# KiCad board plinkyblack_hwmidi_jacks.kicad_pcb
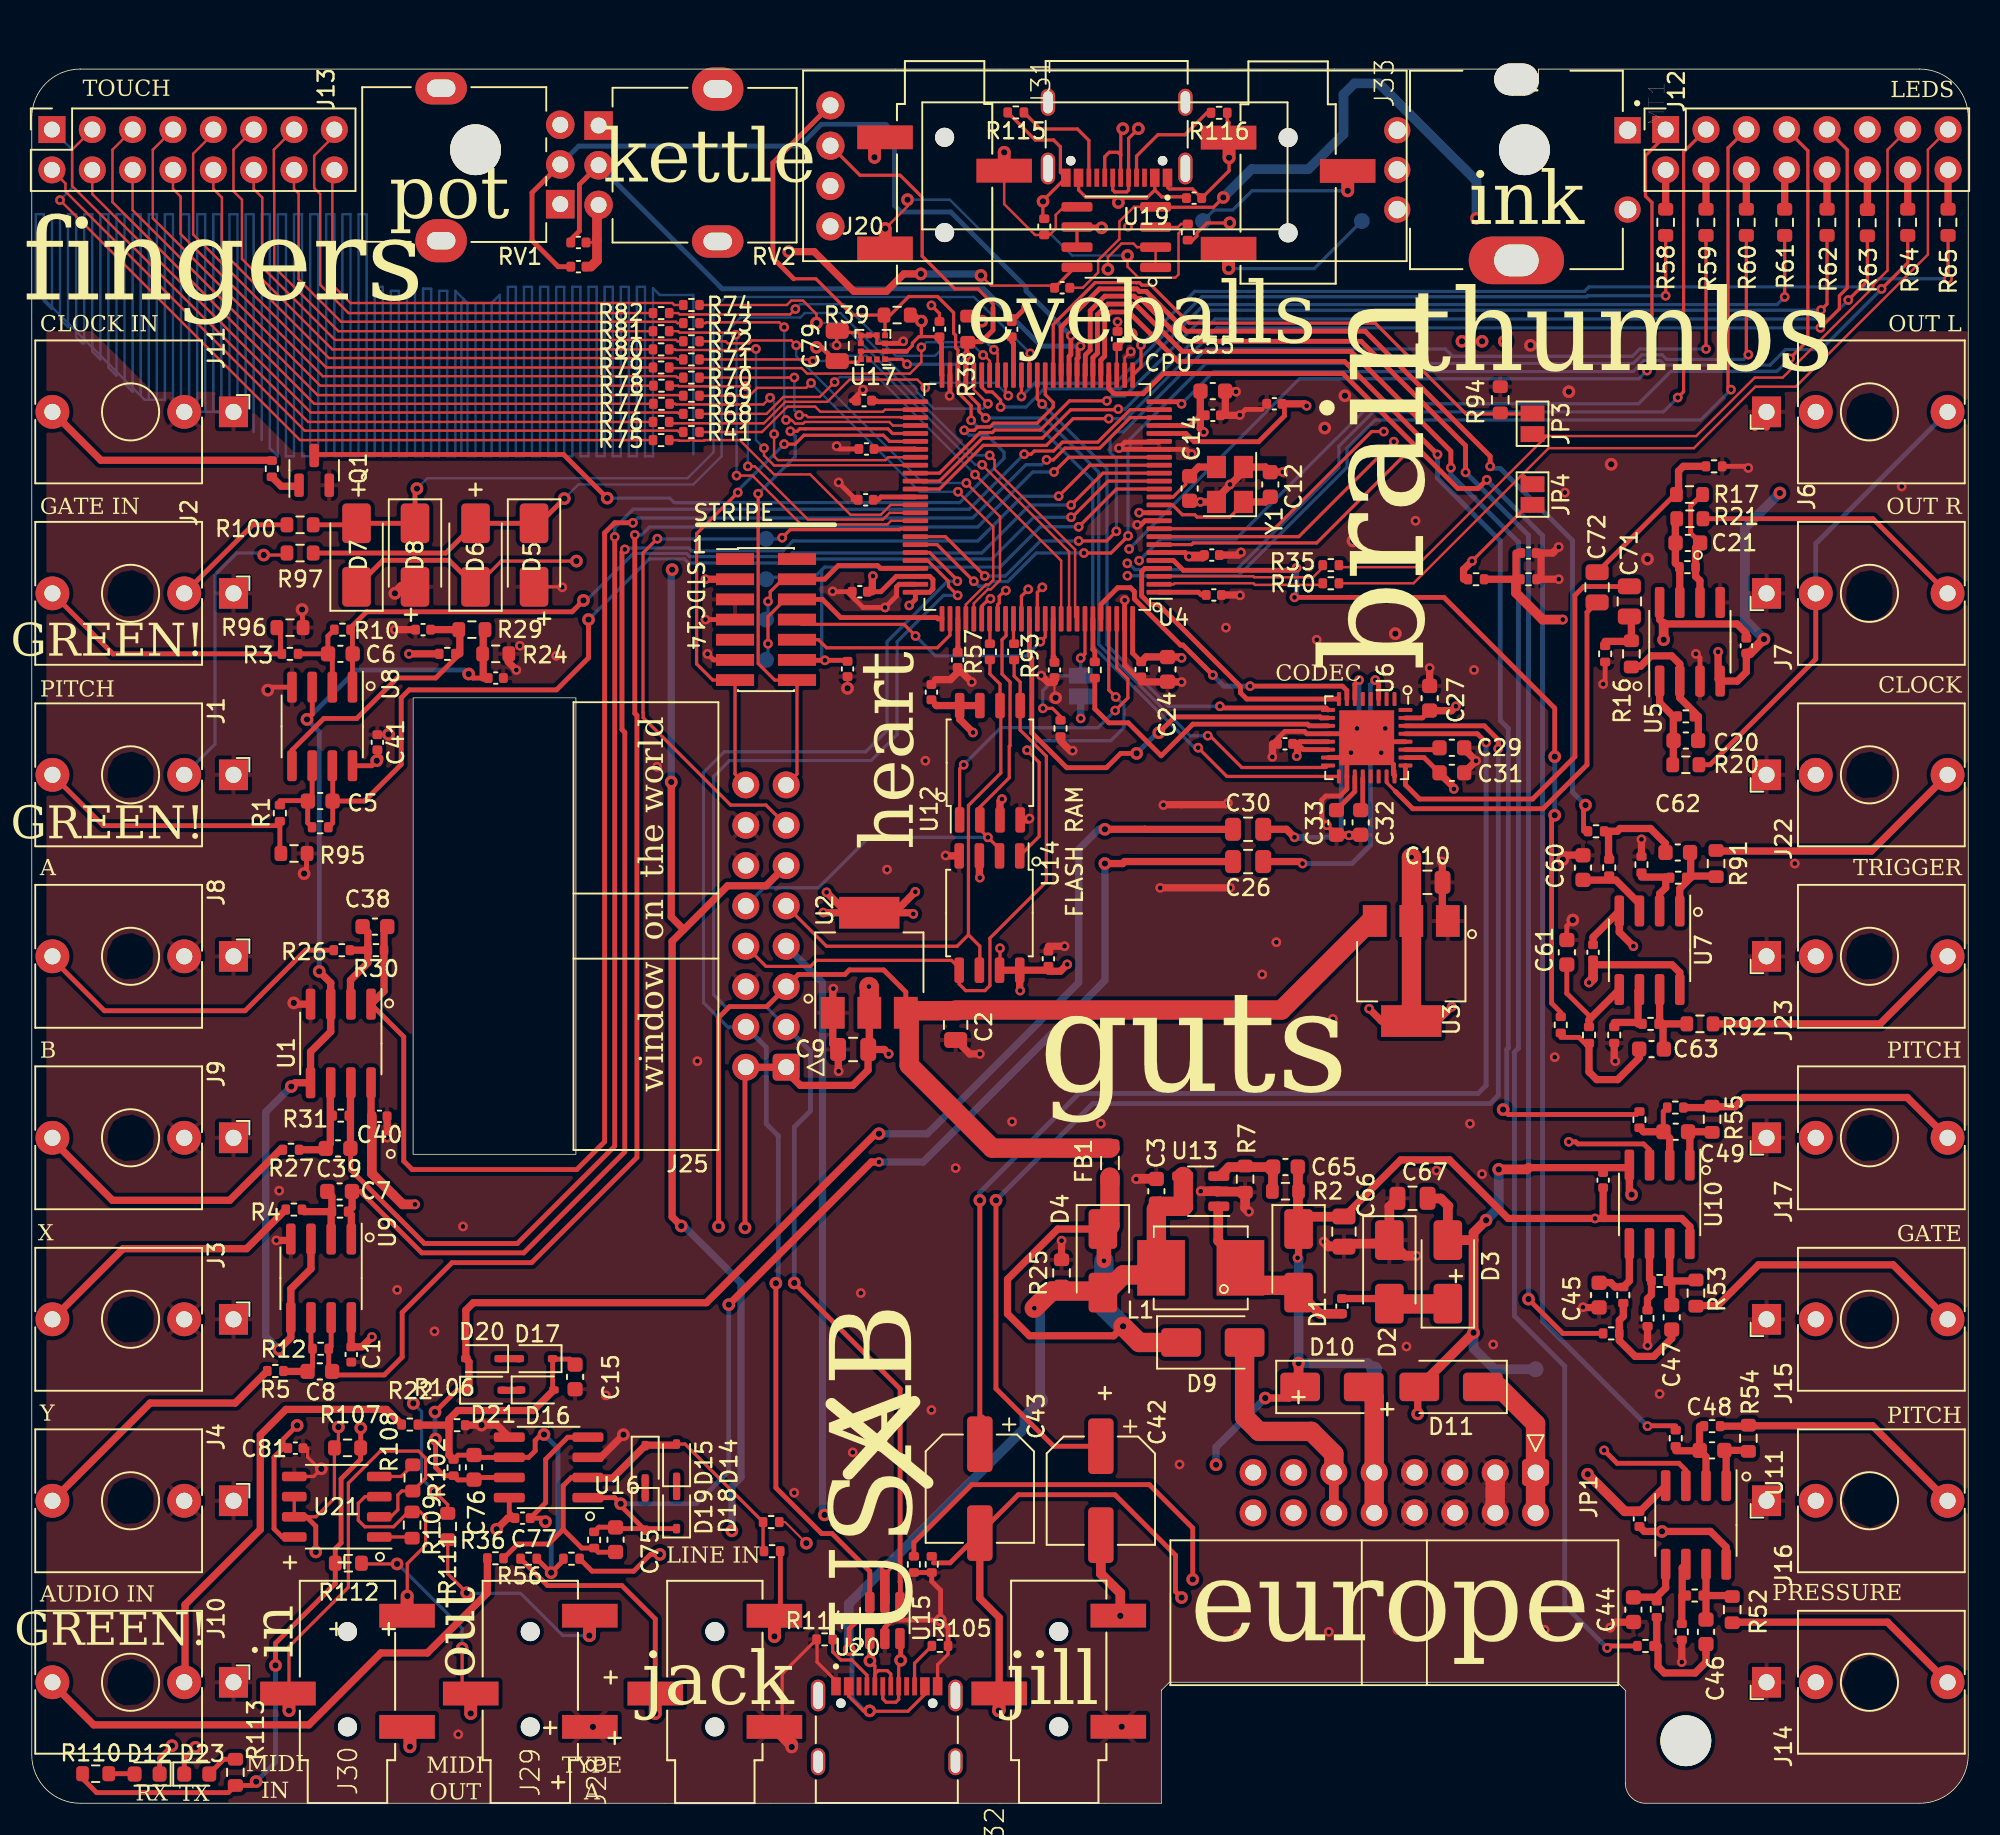
[diagram p0: board, top side]
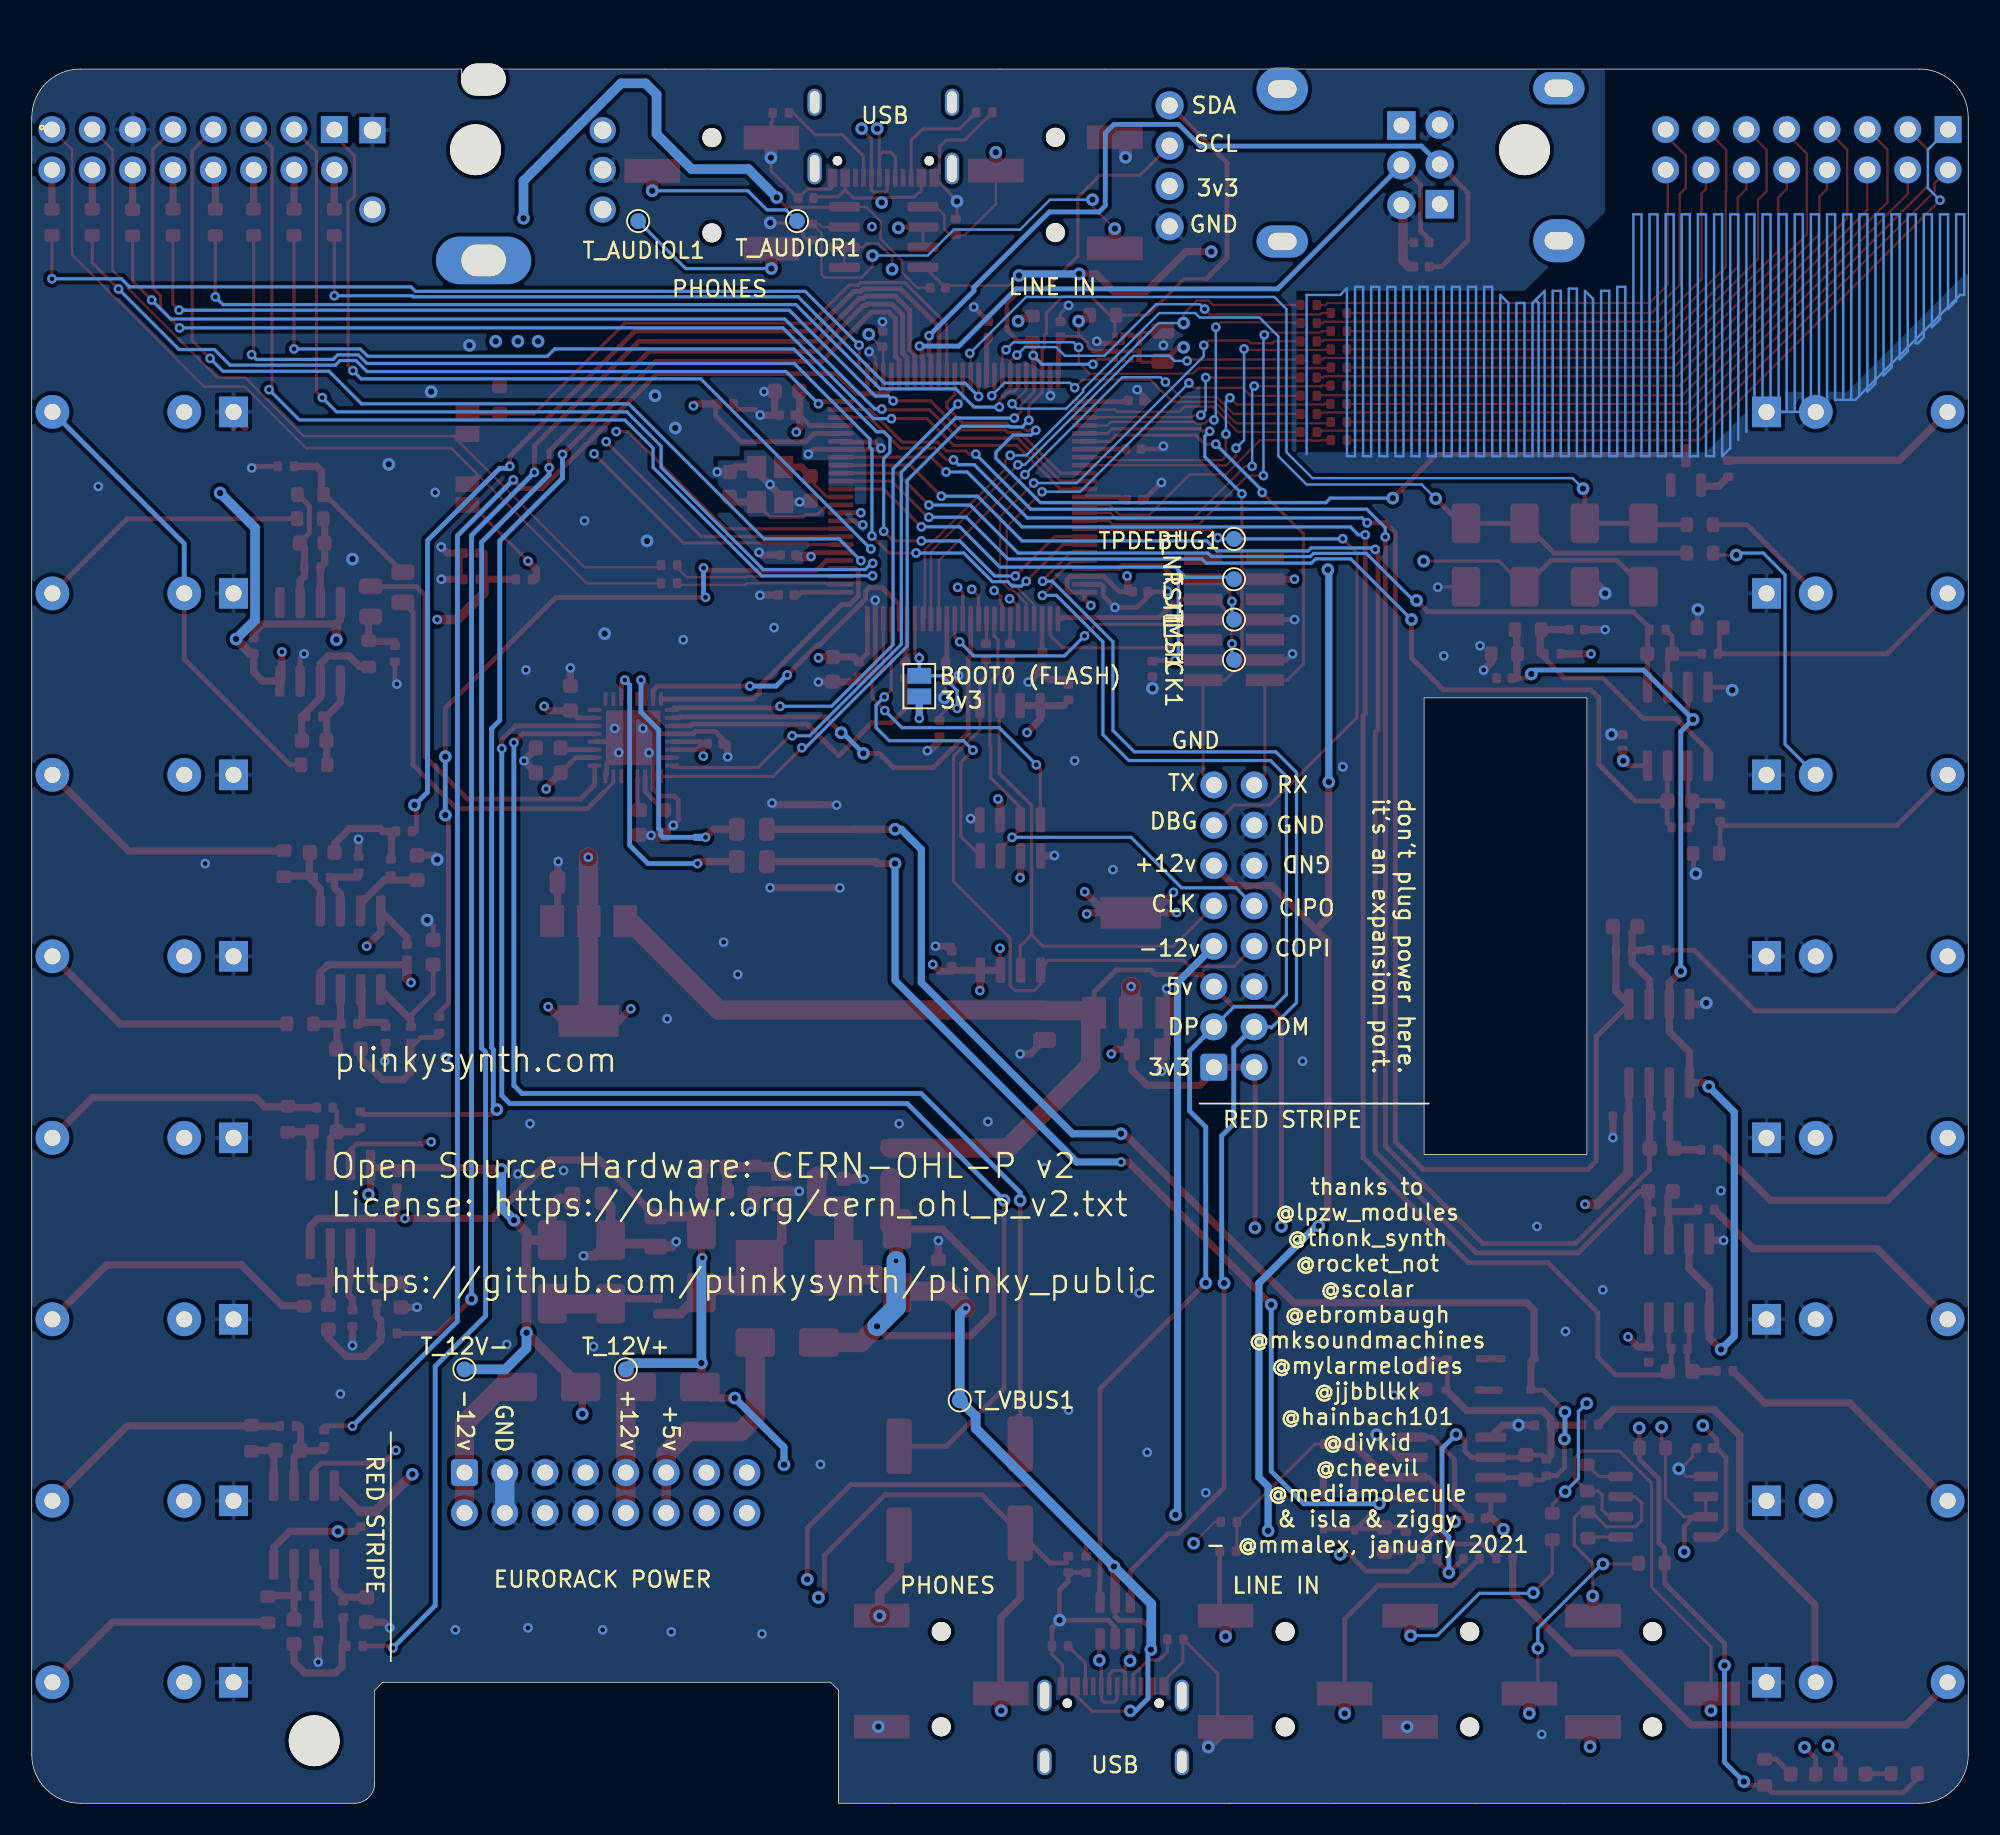
[diagram p1: board, bottom side, seen from below]

Outline 121.92 x 109.22 mm; copper layers: Top, In1.Cu, In2.Cu, Bottom. Coordinates in mm from the lower left corner of the outline.
Outline path: rectangle 24.01,69.62 34.26,40.87 ; 75.44,109.22 3.05,109.22 arc(0.89,108.33) 0,106.17 0,3.05 arc(0.89,0.89) 3.05,0 71.12,0 71.12,7.11 71.63,7.62 99.82,7.62 100.33,7.11 100.33,1.27 arc(100.7,0.37) 101.6,0 118.87,0 arc(121.03,0.89) 121.92,3.05 121.92,106.17 arc(121.03,108.33) 118.87,109.22 94.87,109.22 94.87,108.46 arc(94.61,107.83) 93.98,107.57 93.22,107.57 arc(92.59,107.83) 92.33,108.46 92.33,109.22 82.04,109.22 75.44,109.22
Stack: Top 0.035mm / dielectric 0.48mm FR4 er 4.5 / In1.Cu 0.035mm / dielectric 0.48mm FR4 er 4.5 / In2.Cu 0.035mm / dielectric 0.48mm FR4 er 4.5 / Bottom 0.035mm

## Placement (name value [footprint] x y rotation side)
C1  100n  [C_0402_1005Metric]  20.12 28.26 90 top
C2  10u  [C_0805_2012Metric]  58.17 49.02 270 top
C3  4.7u  [C_0603_1608Metric]  70.8 38.55 90 top
C4  1u  [C_0402_1005Metric]  82.49 31.31 270 top
C5  4.7n  [C_0603_1608Metric]  18.16 63.12 180 top
C6  4.7n  [C_0603_1608Metric]  19.43 72.39 180 top
C7  4.7n  [C_0603_1608Metric]  19.38 38.53 180 top
C8  4.7n  [C_0603_1608Metric]  18.14 27.2 180 top
C9  10u  [C_0805_2012Metric]  51.71 47.47 180 top
C10  10u  [C_0805_2012Metric]  87.87 58 0 top
C11  100n  [C_0402_1005Metric]  51.36 71.44 270 top
C12  18p  [C_0603_1608Metric]  77.98 83.06 90 top
C14  18p  [C_0603_1608Metric]  72.9 82.8 270 top
C15  18p  [C_0603_1608Metric]  34.21 26.85 90 top
C16  100n  [C_0402_1005Metric]  56.64 69.98 90 top
C17  100n  [C_0402_1005Metric]  29.21 70.87 180 top
C18  100n  [C_0402_1005Metric]  74.3 78.61 0 top
C19  100n  [C_0402_1005Metric]  68.36 92.22 90 top
C20  220p  [C_0603_1608Metric]  104.14 66.93 0 top
C21  220p  [C_0603_1608Metric]  104.27 79.38 0 top
C22  100n  [C_0402_1005Metric]  57.15 92.84 90 top
C23  100n  [C_0402_1005Metric]  52.13 76.3 180 top
C24  4.7u  [C_0603_1608Metric]  71.5 71.41 270 top
C25  100n  [C_0402_1005Metric]  98.93 39.24 270 top
C26  10u  [C_0805_2012Metric]  76.58 59.31 180 top
C27  4.7u  [C_0603_1608Metric]  88.01 69.6 90 top
C28  100n  [C_0402_1005Metric]  78.91 66.73 0 top
C29  4.7u  [C_0603_1608Metric]  89.41 66.47 0 top
C30  10u  [C_0805_2012Metric]  76.58 61.34 180 top
C31  4.7u  [C_0603_1608Metric]  89.41 64.9 180 top
C32  4.7u  [C_0603_1608Metric]  83.67 61.77 270 top
C33  4.7u  [C_0603_1608Metric]  82.14 61.77 270 top
C34  1u  [C_0402_1005Metric]  78.23 88.14 0 top
C35  100n  [C_0402_1005Metric]  24.64 73.91 0 top
C36  100n  [C_0402_1005Metric]  74.42 76.1 180 top
C37  100n  [C_0402_1005Metric]  61.7 92.84 270 top
C38  4.7n  [C_0603_1608Metric]  21.6 55.21 180 top
C39  4.7n  [C_0603_1608Metric]  19.29 41.24 180 top
C40  100n  [C_0402_1005Metric]  21.89 43.26 180 top
C41  100n  [C_0402_1005Metric]  21.76 66.82 270 top
C42  220u  [CP_Elec_6.3x5.9]  67.31 19.69 270 top
C43  220u  [CP_Elec_6.3x5.9]  59.69 19.81 270 top
C44  4.7n  [C_0603_1608Metric]  100.84 12.19 90 top
C45  4.7n  [C_0603_1608Metric]  98.68 32 90 top
C46  4.7n  [C_0603_1608Metric]  105.41 10.8 90 top
C47  4.7n  [C_0603_1608Metric]  103.25 30.61 90 top
C48  4.7n  [C_0603_1608Metric]  105.79 22.23 180 top
C49  4.7n  [C_0603_1608Metric]  103.51 42.29 180 top
C50  100n  [C_0402_1005Metric]  101.22 17.91 270 top
C51  100n  [C_0402_1005Metric]  107.95 72.9 90 top
C52  100n  [C_0402_1005Metric]  52.55 85.29 0 top
C53  100n  [C_0402_1005Metric]  69.85 71.41 270 top
C54  1u  [C_0402_1005Metric]  74.36 87.41 0 top
C55  10n  [C_0603_1608Metric]  74.36 88.94 0 top
C56  100n  [C_0402_1005Metric]  64.39 71.37 90 top
C57  100n  [C_0402_1005Metric]  52.4 88.34 0 top
C58  100n  [C_0402_1005Metric]  52.5 82.09 0 top
C59  100n  [C_0402_1005Metric]  58.29 72.01 90 top
C60  4.7n  [C_0603_1608Metric]  97.66 58.93 270 top
C61  4.7n  [C_0603_1608Metric]  96.65 53.59 270 top
C62  4.7n  [C_0603_1608Metric]  103.63 59.88 0 top
C63  4.7n  [C_0603_1608Metric]  101.98 47.5 0 top
C64  100n  [C_0402_1005Metric]  98.3 53.59 270 top
C65  18p  [C_0603_1608Metric]  78.93 40.07 0 top
C66  10u  [C_0805_2012Metric]  82.62 36.01 270 top
C67  10u  [C_0805_2012Metric]  86.93 38.1 180 top
C68  100n  [C_0402_1005Metric]  34.42 98.3 0 top
C69  100n  [C_0402_1005Metric]  94.23 78.74 180 top
C70  100n  [C_0402_1005Metric]  34.42 96.77 0 top
C71  10u  [C_0805_2012Metric]  100.58 75.69 90 top
C72  10u  [C_0805_2012Metric]  98.55 76.58 270 top
C73  100n  [C_0402_1005Metric]  64.01 53.19 90 top
C74  100n  [C_0402_1005Metric]  73.18 101.09 180 top
C75  220p  [C_0603_1608Metric]  36.75 16.6 90 top
C76  220p  [C_0603_1608Metric]  27.84 21.16 270 top
C77  100n  [C_0402_1005Metric]  30.9 17.96 180 top
C78  100n  [C_0402_1005Metric]  64.87 95.45 180 top
C79  10u  [C_0805_2012Metric]  50.71 91.78 90 top
C81  100n  [C_0402_1005Metric]  16.6 22.36 180 top
D1  D_Schottky  [D_SMA]  79.76 34.16 270 top
D2  D_Schottky  [D_SMA]  85.47 33.47 270 top
D3  D_Schottky  [D_SMA]  89.16 33.47 90 top
D4  D_Schottky  [D_SMA]  67.44 34.16 270 top
D5  D_Schottky  [D_SMA]  27.94 78.61 90 top
D6  D_Schottky  [D_SMA]  31.62 78.61 270 top
D7  D_Schottky  [D_SMA]  20.45 78.61 90 top
D8  D_Schottky  [D_SMA]  24.13 78.61 270 top
D9  D_Schottky  [D_SMA]  74.36 29.02 0 top
D10  D_Schottky  [D_SMA]  81.86 26.22 0 top
D11  D_Schottky  [D_SMA]  89.36 26.22 180 top
D12  RED  [LED_0603_1608Metric]  7.26 1.84 180 top
D14  1N4148WS  [D_SOD-323]  40.6 21.57 90 top
D15  1N4148WS  [D_SOD-323]  38.62 21.47 270 top
D16  1N4148WS  [D_SOD-323]  31.83 26.03 0 top
D17  1N4148WS  [D_SOD-323]  31.74 28 180 top
D18  1N4148WS  [D_SOD-323]  40.6 18.35 90 top
D19  1N4148WS  [D_SOD-323]  38.62 18.25 270 top
D20  1N4148WS  [D_SOD-323]  28.58 26.02 0 top
D21  1N4148WS  [D_SOD-323]  28.38 28 180 top
D23  BLUE  [LED_0603_1608Metric]  10.39 1.84 0 top
FB1  Ferrite_Bead_Small  [L_0805_2012Metric]  67.88 40.32 270 top
H1  MountingHole  [MountingHole_3.2mm_M3]  104.14 3.94 0 top
H2  MountingHole  [MountingHole_3.2mm_M3]  93.98 104.14 0 top
H4  MountingHole  [MountingHole_3.2mm_M3]  27.94 104.14 0 top
J1  AudioJack2_SwitchT  [thonk_with_3d]  12.7 64.77 270 top
J2  AudioJack2_SwitchT  [thonk_with_3d]  12.7 76.2 270 top
J3  AudioJack2_SwitchT  [thonk_with_3d]  12.7 30.48 270 top
J4  AudioJack2_SwitchT  [thonk_with_3d]  12.7 19.05 270 top
J5  SWD header  [PinHeader_2x07_P1.27mm_Vertical_SMD]  46.23 74.55 0 top
J6  AudioJack2_SwitchT  [thonk_with_3d]  109.22 87.63 90 top
J7  AudioJack2_SwitchT  [thonk_with_3d]  109.22 76.2 90 top
J8  AudioJack2_SwitchT  [thonk_with_3d]  12.7 53.34 270 top
J9  AudioJack2_SwitchT  [thonk_with_3d]  12.7 41.91 270 top
J10  AudioJack2_SwitchT  [thonk_with_3d]  12.7 7.62 270 top
J11  AudioJack2_SwitchT  [thonk_with_3d]  12.7 87.63 270 top
J12  Conn_02x08_Odd_Even  [PinSocket_2x08_P2.54mm_Vertical]  102.87 105.41 90 top
J13  Conn_02x08_Odd_Even  [PinSocket_2x08_P2.54mm_Vertical]  1.27 105.41 90 top
J14  AudioJack2_SwitchT  [thonk_with_3d]  109.22 7.62 90 top
J15  AudioJack2_SwitchT  [thonk_with_3d]  109.22 30.48 90 top
J16  AudioJack2_SwitchT  [thonk_with_3d]  109.22 19.05 90 top
J17  AudioJack2_SwitchT  [thonk_with_3d]  109.22 41.91 90 top
J20  oled0.91  [oled091]  67.56 103.12 0 top
J22  AudioJack2_SwitchT  [thonk_with_3d]  109.22 64.77 90 top
J23  AudioJack2_SwitchT  [thonk_with_3d]  109.22 53.34 90 top
J25  Conn_01x16_Female  [IDC-Header_2x08_P2.54mm_Horizontal]  47.5 46.36 180 top
J28  PJ-320B  [LUOYANG-DISHANG_PJ-320B]  43.01 4.81 90 top
J29  PJ-320B  [LUOYANG-DISHANG_PJ-320B]  31.39 4.81 90 top
J30  PJ-320B  [LUOYANG-DISHANG_PJ-320B]  19.88 4.81 90 top
J31  PJ-320B  [LUOYANG-DISHANG_PJ-320B]  57.47 104.92 270 top
J32  PJ-320B  [LUOYANG-DISHANG_PJ-320B]  64.66 4.82 90 top
J33  PJ-320B  [LUOYANG-DISHANG_PJ-320B]  79.1 104.9 270 top
JP1  Euro power  [IDC-Header_2x08_P2.54mm_Horizontal]  94.68 20.83 270 top
JP2  SolderJumper_2_Open  [SolderJumper-2_P1.3mm_Open_Pad1.0x1.5mm]  66.04 70.36 90 bottom
JP3  SolderJumper_2_Open  [SolderJumper-2_P1.3mm_Open_Pad1.0x1.5mm]  94.49 86.88 270 top
JP4  SolderJumper_2_Open  [SolderJumper-2_P1.3mm_Open_Pad1.0x1.5mm]  94.49 82.42 270 top
L1  10uH  [L_Murata_LQH55DN_5.7x5.0mm]  73.6 33.72 0 top
MT1  PEC11R-4215F-S0024  [pec11r_encoder]  93.47 102.87 270 top
Q1  MMBT3904  [SOT-23]  17.78 83.95 90 top
R1  100k  [R_0402_1005Metric]  15.62 62.36 270 top
R2  1.5M  [R_0603_1608Metric]  78.93 38.55 180 top
R3  100k  [R_0402_1005Metric]  16.26 72.39 180 top
R4  100k  [R_0402_1005Metric]  16.5 37.39 180 top
R5  100k  [R_0402_1005Metric]  15.33 27.22 180 top
R6  10k  [R_0402_1005Metric]  46.55 17.71 0 top
R7  200k  [R_0603_1608Metric]  76.39 39.31 270 top
R8  100k  [R_0402_1005Metric]  15.11 84.05 90 top
R9  33k  [R_0402_1005Metric]  18.16 61.47 180 top
R10  22k  [R_0402_1005Metric]  19.56 73.91 180 top
R11  22k  [R_0402_1005Metric]  19.41 37.26 180 top
R12  22k  [R_0402_1005Metric]  18.19 28.62 180 top
R13  10k  [R_0402_1005Metric]  64.77 67.69 270 top
R14  33k  [R_0402_1005Metric]  99.06 72.39 270 top
R15  33k  [R_0402_1005Metric]  105.92 84.2 0 top
R16  5.6k  [R_0603_1608Metric]  100.71 72.39 90 top
R17  5.6k  [R_0603_1608Metric]  104.37 82.42 180 top
R18  33k  [R_0402_1005Metric]  104.14 68.45 0 top
R19  33k  [R_0402_1005Metric]  104.24 77.85 0 top
R20  1k  [R_0603_1608Metric]  104.14 65.41 180 top
R21  1k  [R_0603_1608Metric]  104.39 80.9 180 top
R22  100k  [R_0402_1005Metric]  23.8 23.85 180 top
R23  10k  [R_0402_1005Metric]  33.98 15.4 0 top
R24  8.2k  [R_0603_1608Metric]  29.21 72.39 180 top
R25  200k  [R_0603_1608Metric]  64.84 33.4 90 top
R26  100k  [R_0402_1005Metric]  19.52 53.73 180 top
R27  100k  [R_0402_1005Metric]  16.32 41.16 180 top
R28  10k  [R_0402_1005Metric]  26.16 72.39 180 top
R29  2.2k  [R_0603_1608Metric]  27.71 73.91 180 top
R30  22k  [R_0402_1005Metric]  21.67 53.73 180 top
R31  22k  [R_0402_1005Metric]  19.45 43.31 180 top
R32  100k  [R_0402_1005Metric]  56.66 15.04 270 top
R33  100k  [R_0402_1005Metric]  55.54 15.04 270 top
R34  100R  [R_0402_1005Metric]  66.93 71.37 270 top
R35  100R  [R_0402_1005Metric]  81.79 77.98 180 top
R36  100k  [R_0402_1005Metric]  29.19 15.43 180 top
R37  10k  [R_0402_1005Metric]  46.61 15.88 0 top
R38  2.2k  [R_0603_1608Metric]  58.93 92.84 270 top
R39  2.2k  [R_0603_1608Metric]  54.48 93.73 180 top
R40  100R  [R_0402_1005Metric]  81.79 76.84 180 top
R41  100R  [R_0402_1005Metric]  41.53 86.36 180 top
R42  22k  [R_0402_1005Metric]  102.31 12.22 270 top
R43  10k  [R_0402_1005Metric]  99.44 29.59 180 top
R44  10k  [R_0402_1005Metric]  101.6 9.91 180 top
R45  10k  [R_0402_1005Metric]  104.7 13.08 0 top
R46  22k  [R_0402_1005Metric]  100.2 32 270 top
R47  10k  [R_0402_1005Metric]  102.49 32.89 0 top
R48  10k  [R_0402_1005Metric]  103.51 22.99 90 top
R49  10k  [R_0402_1005Metric]  101.22 43.05 90 top
R50  33k  [R_0402_1005Metric]  105.79 23.75 180 top
R51  33k  [R_0402_1005Metric]  103.48 43.81 180 top
R52  1k  [R_0603_1608Metric]  107.06 12.19 90 top
R53  1k  [R_0603_1608Metric]  104.78 32.13 90 top
R54  1k  [R_0603_1608Metric]  108.08 22.99 270 top
R55  1k  [R_0603_1608Metric]  105.79 43.08 270 top
R56  10k  [R_0402_1005Metric]  31.28 15.4 180 top
R57  100R  [R_0402_1005Metric]  60.32 72.52 90 top
R58  47R  [R_0603_1608Metric]  102.87 99.57 90 top
R59  47R  [R_0603_1608Metric]  105.41 99.57 90 top
R60  47R  [R_0603_1608Metric]  107.95 99.57 90 top
R61  47R  [R_0603_1608Metric]  110.36 99.57 90 top
R62  47R  [R_0603_1608Metric]  113.03 99.57 90 top
R63  47R  [R_0603_1608Metric]  115.57 99.54 90 top
R64  47R  [R_0603_1608Metric]  118.11 99.57 90 top
R65  47R  [R_0603_1608Metric]  120.65 99.57 90 top
R66  10k  [R_0402_1005Metric]  103.89 10.8 90 top
R67  10k  [R_0402_1005Metric]  101.73 30.54 90 top
R68  100R  [R_0402_1005Metric]  41.53 87.5 180 top
R69  100R  [R_0402_1005Metric]  41.53 88.65 180 top
R70  100R  [R_0402_1005Metric]  41.53 89.79 180 top
R71  100R  [R_0402_1005Metric]  41.53 90.93 180 top
R72  100R  [R_0402_1005Metric]  41.53 92.08 180 top
R73  100R  [R_0402_1005Metric]  41.53 93.22 180 top
R74  100R  [R_0402_1005Metric]  41.53 94.36 180 top
R75  100R  [R_0402_1005Metric]  39.62 85.85 0 top
R76  100R  [R_0402_1005Metric]  39.62 87 0 top
R77  100R  [R_0402_1005Metric]  39.65 88.14 0 top
R78  100R  [R_0402_1005Metric]  39.65 89.28 0 top
R79  100R  [R_0402_1005Metric]  39.62 90.42 0 top
R80  100R  [R_0402_1005Metric]  39.62 91.57 0 top
R81  100R  [R_0402_1005Metric]  39.62 92.71 0 top
R82  100R  [R_0402_1005Metric]  39.62 93.85 0 top
R83  10k  [R_0402_1005Metric]  98.49 61.21 180 top
R84  10k  [R_0402_1005Metric]  96.27 49.02 90 top
R85  22k  [R_0402_1005Metric]  99.31 58.93 90 top
R86  22k  [R_0402_1005Metric]  98.04 48.39 270 top
R87  10k  [R_0402_1005Metric]  101.35 59.12 270 top
R88  10k  [R_0402_1005Metric]  99.63 48.39 90 top
R89  10k  [R_0402_1005Metric]  101.92 49.09 0 top
R90  10k  [R_0402_1005Metric]  103.66 58.29 0 top
R91  1k  [R_0603_1608Metric]  106.05 59.18 270 top
R92  1k  [R_0603_1608Metric]  105.03 49.09 180 top
R93  100R  [R_0402_1005Metric]  61.85 72.52 90 top
R94  1.5M  [R_0603_1608Metric]  92.46 88.39 270 top
R95  1.5M  [R_0603_1608Metric]  16.51 59.82 0 top
R96  1.5M  [R_0603_1608Metric]  16.26 74.04 0 top
R97  2.2k  [R_0603_1608Metric]  16.89 78.74 180 top
R98  10k  [R_0402_1005Metric]  90.93 77.09 180 top
R99  10k  [R_0402_1005Metric]  94.23 77.09 180 top
R100  2.2k  [R_0603_1608Metric]  16.89 80.52 180 top
R101  12k  [R_0402_1005Metric]  35.4 16.58 270 top
R102  12k  [R_0402_1005Metric]  26.56 21.14 90 top
R103  100k  [R_0402_1005Metric]  72.78 98.96 270 top
R104  100k  [R_0402_1005Metric]  63.75 99.28 90 top
R105  5.1K  [R_0402_1005Metric]  57.18 9.91 0 top
R106  10k  [R_0402_1005Metric]  26.78 23.81 180 top
R107  470R  [R_0603_1608Metric]  19.88 22.38 0 top
R108  220R  [R_0603_1608Metric]  23.99 20.49 90 top
R109  220R  [R_0603_1608Metric]  23.95 17.52 270 top
R110  47R  [R_0603_1608Metric]  4.02 1.86 180 top
R111  47R  [R_0603_1608Metric]  26.19 17.43 90 top
R112  47R  [R_0603_1608Metric]  19.93 15.12 180 top
R113  15R  [R_0603_1608Metric]  12.82 1.95 270 top
R114  5.1K  [R_0402_1005Metric]  49.92 10.32 0 top
R115  5.1K  [R_0402_1005Metric]  61.96 106.49 180 top
R116  5.1K  [R_0402_1005Metric]  74.76 106.47 180 top
RV1  100k  [pot3d]  33.27 100.71 180 top
RV2  100k  [pot3d]  35.69 105.66 0 top
T_12V+  TestPoint  [TestPoint_Pad_D1.0mm]  84.52 27.33 180 bottom
T_12V-  TestPoint  [TestPoint_Pad_D1.0mm]  94.68 27.33 180 bottom
T_AUDIOL1  TestPoint  [TestPoint_Pad_D1.0mm]  83.74 99.65 180 bottom
T_AUDIOR1  TestPoint  [TestPoint_Pad_D1.0mm]  73.74 99.65 180 bottom
T_JTCK1  TestPoint  [TestPoint_Pad_D1.0mm]  46.23 72.01 90 bottom
T_JTMS1  TestPoint  [TestPoint_Pad_D1.0mm]  46.23 74.55 90 bottom
T_NRST1  TestPoint  [TestPoint_Pad_D1.0mm]  46.23 77.09 90 bottom
T_VBUS1  TestPoint  [TestPoint_Pad_D1.0mm]  63.49 25.37 0 bottom
TPDEBUG1  TestPoint  [TestPoint_Pad_D1.0mm]  46.23 79.63 0 bottom
U1  MCP6002-xSN  [SOIC-8_3.9x4.9mm_P1.27mm]  19.46 47.85 270 top
U2  LM1117-3.3  [SOT-223-3_TabPin2]  52.73 52.93 90 top
U3  LM1117-3.3  [SOT-223-3_TabPin2]  86.86 52.41 270 top
U4  STM32L476VGT6  [LQFP-100_14x14mm_P0.5mm]  63.31 82.27 180 top
U5  TL072  [SOIC-8_3.9x4.9mm_P1.27mm]  104.39 73.15 90 top
U6  WM8758B  [QFN-32-1EP_5x5mm_P0.5mm_EP3.45x3.45mm]  84.05 67.11 270 top
U7  TL072  [SOIC-8_3.9x4.9mm_P1.27mm]  101.85 53.72 270 top
U8  MCP6002-xSN  [SOIC-8_3.9x4.9mm_P1.27mm]  18.29 67.82 270 top
U9  MCP6002-xSN  [SOIC-8_3.9x4.9mm_P1.27mm]  18.21 33.06 270 top
U10  TL072  [SOIC-8_3.9x4.9mm_P1.27mm]  102.49 37.72 270 top
U11  TL072  [SOIC-8_3.9x4.9mm_P1.27mm]  104.78 17.53 270 top
U12  W25Q32JVSS  [SOIC-8_5.23x5.23mm_P1.27mm]  60.32 65.53 90 top
U13  TPS61040DBV  [SOT-23-5]  73.6 38.55 180 top
U14  W25Q32JVSS  [SOIC-8_5.23x5.23mm_P1.27mm]  60.3 56.07 270 top
U15  USBLC6-2SC6  [SOT-23-6]  53.71 11.51 90 top
U16  TL072  [SOIC-8_3.9x4.9mm_P1.27mm]  32.54 21.15 180 top
U17  LIS2DH12  [LGA-12_2x2mm_P0.5mm]  52.96 91.69 180 top
U18  TL072  [SOIC-8_3.9x4.9mm_P1.27mm]  68.28 98.64 180 top
U19  TYPE-C-31-M-14  [HRO_TYPE-C-31-M-12]  68.31 107.13 180 top
U20  TYPE-C-31-M-14  [HRO_TYPE-C-31-M-12]  53.83 2.62 0 top
U21  HCPL-0631-500E  [SSOP-8_3.9x5.05mm_P1.27mm]  19.2 18.67 180 top
Y1  Crystal_GND24  [Crystal_SMD_Abracon_ABM8G-4Pin_3.2x2.5mm]  75.44 83.06 90 top
